# Allegro board OPT8241-CDK-EVM SB REV2P0V1.brd (continued)
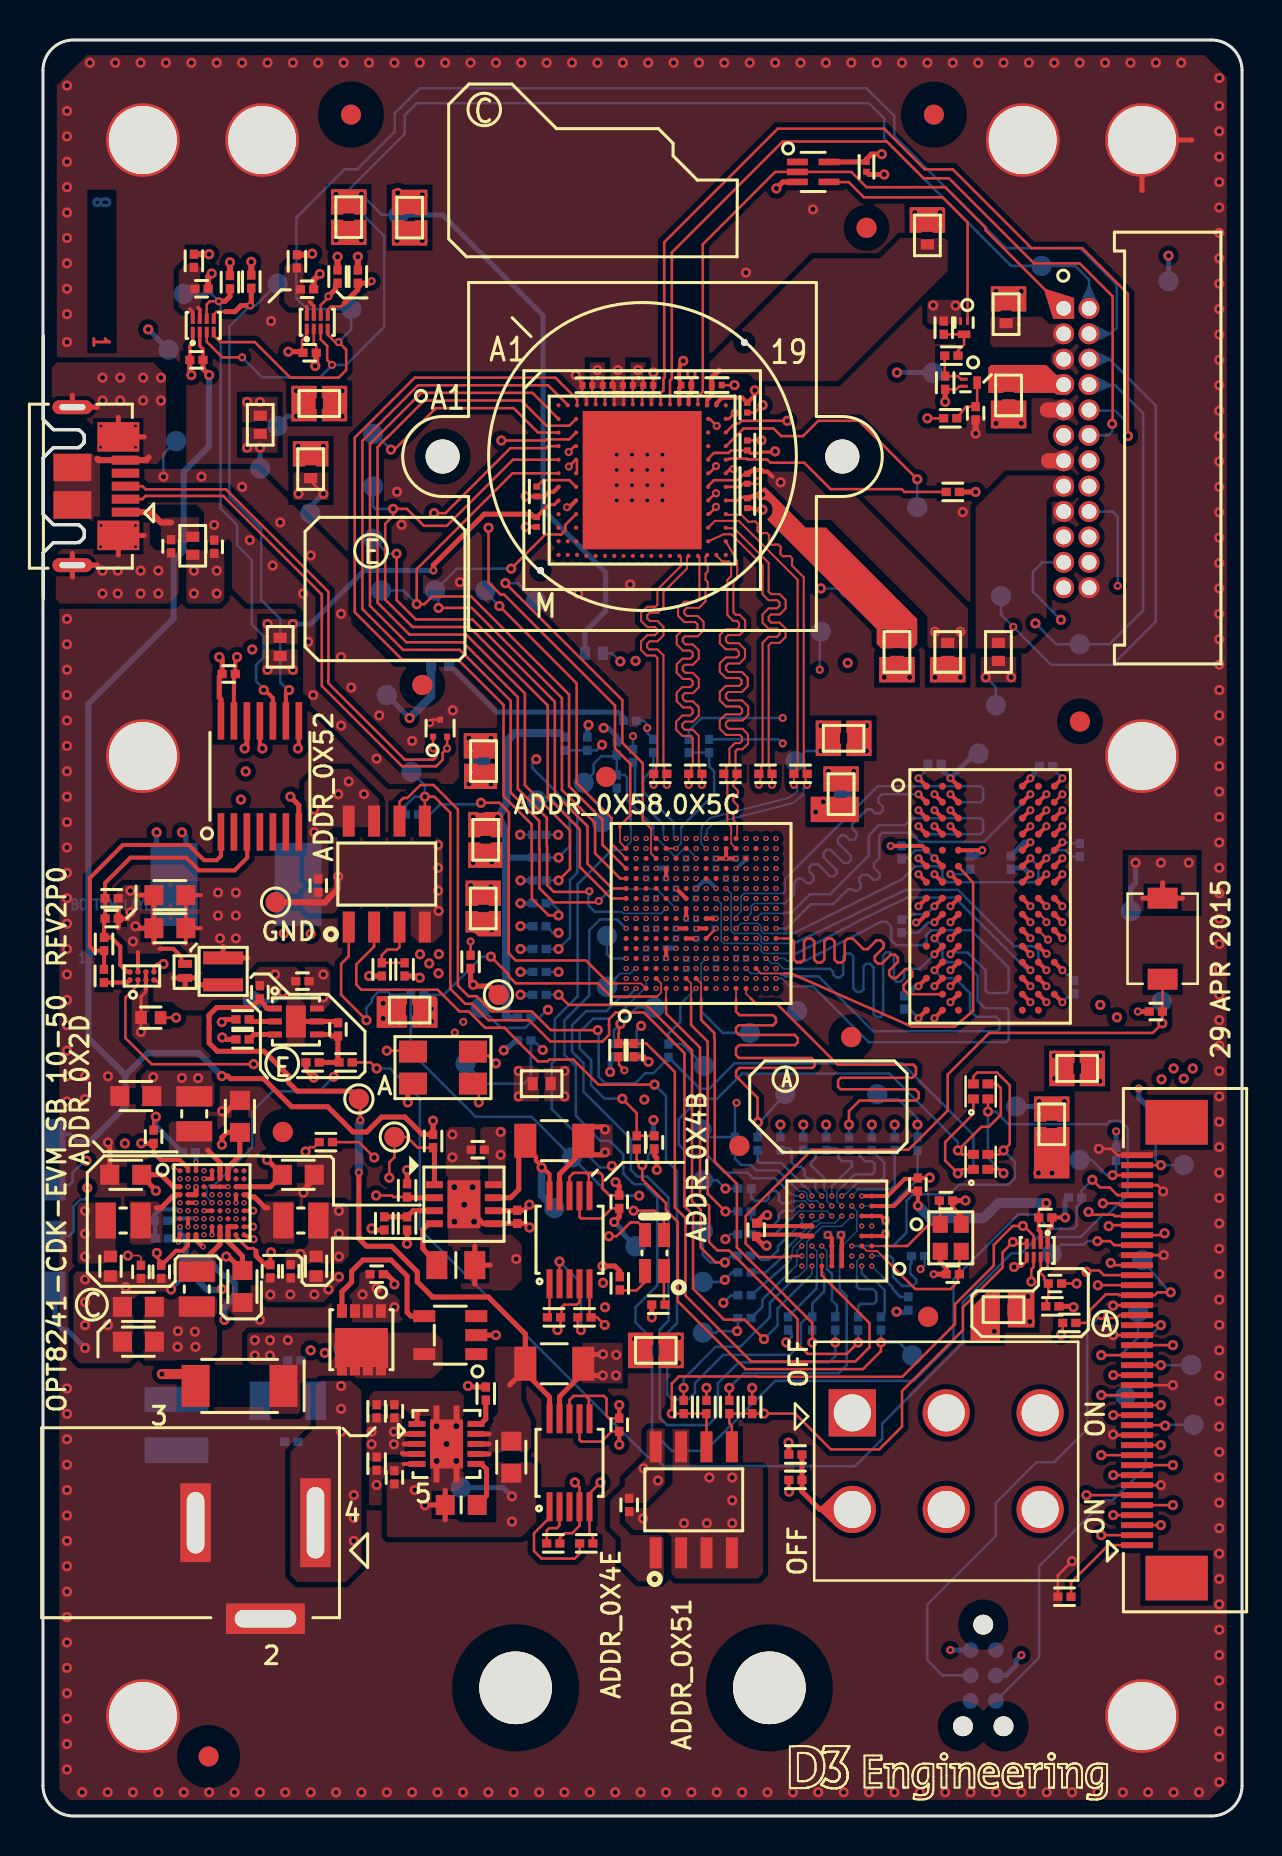
[diagram p0: board, top side]
## Routing (per net, layer and track width the routed paths; a pad name or vN(x,y) marks a point on that pad's centre or on a via; arc(x,y) is an arc through that point) (continued)
  vias: v1(10.22,70.71) v1(10.86,70.71) v1(27.75,72.31) v1(29.78,72.31)
VCC_PVDD: length 40.5
  TOP w0.081: v3(6.52,32.45) 6.53,32.45 6.53,32.45 U11.A1
  TOP w0.127: B6.1 13.39,66.75 v1(14.03,66.12)
  SIG1 w0.254: v3(6.52,32.45) 6.28,32.69 6.28,38.49 7.35,39.56 7.35,47.79 8.34,48.78 8.34,52.54 9.83,54.03 9.97,54.03 11.69,55.75 11.69,56.03 11.68,56.04 11.68,56.87 11.87,57.06 11.87,62.01 12.55,62.69 12.55,65.88 v1(12.79,66.12) v1(14.03,66.12)
  BOTTOM w0.254: TP60.1 13.38,65.46 v1(14.03,66.12)
VCC_SENSOR_AVDD_1V8: length 4.2
  TOP w0.127: C10.1 35.15,67.12 35.03,67.07 34.77,66.8 33.58,66.8 33.29,66.51 U3.G17 ; U3.D3 26.6,68.5 v2(26.31,68.21)
  TOP w0.203: 36.51,66.97 36.25,67.23 36.05,67.23 35.97,67.3 35.51,67.3 35.43,67.23 35.36,67.23 C10.1
  vias: v1(36.91,66.69) v1(44.64,59.23) v1(45.91,59.23)
VCC_SENSOR_AVDD_3V3: length 2
  TOP w0.127: 33.46,71.54 C4.1
  TOP w0.203: U3.A17 33.24,70.81 33.46,71.04
  TOP w0.254: 33.84,72.31 33.44,71.91 C4.1 ; 33.46,71.04 33.46,71.54
VCC_SENSOR_DVDD_1V8: length 2.5
  TOP w0.152: U3.F19 34.38,67.36 v2(34.55,67.36) ; C12.1 35.2,65.95 34.94,65.95 34.77,65.78 U3.H19
  TOP w0.254: v1(36.03,66.08) 35.87,66.08 35.86,66.1 C12.1
  vias: v1(42.1,59.23) v1(43.37,59.23)
VCC_SENSOR_DVDD_3V3: length 25.1
  TOP w0.203: U3.A14 31.84,71.45 C3.1 31.87,71.62 31.87,71.81 31.84,71.85 31.84,72.35 31.87,72.39 31.87,72.6 v1(32.04,72.76)
  TOP w0.254: R28.1 v1(30.46,24.94) ; U24.5 39.33,82.71 C94.1 41.21,82.85 41.46,83.1 v1(41.97,83.1) ; R27.1 28.86,27.25 28.61,27.5 v1(28,27.5)
  PWR1 w0.508: v1(10.47,58.34) 10.47,62.76 11.11,63.4 11.11,67.36 11.63,67.88 11.63,72.79 11.52,72.91 11.52,73.54 12.89,74.91 12.89,75.23
  vias: v1(14.66,78.81) v1(15.93,78.81) v1(44.55,75.54) v1(45.66,75.53)
VCC_SENSOR_IOVDD_1V8: length 16.9
  TOP w0.152: U3.H1 25.59,65.58 25.32,65.58
  TOP w0.203: 25.32,65.58 C13.1
  TOP w0.254: R4.2 v1(46.67,66.21) ; v2(19.54,62.29) 19.54,62.55 22.08,65.1 24.42,65.1 24.56,64.96 C13.1
  BOTTOM w0.254: v1(12.51,59.61) 13.4,59.61 16.07,62.29 v2(19.54,62.29)
  vias: v1(11.24,59.61)
VCC_SENSOR_PLL_1V8: length 2.6
  TOP w0.203: v1(35.62,71.29) 35.62,71.04 C8.1 35,70.92 34.01,70.92 34,70.91 33.97,70.91 33.7,70.64 U3.A18
  vias: v1(14.97,71.26) v1(14.97,69.99)
VCC_SENSOR_PVDD: length 3.7
  TOP w0.127: C9.1 34.43,68.29 34.31,68.16 33.74,68.16 33.58,68.16 33.29,67.87 U3.E17
  TOP w0.152: v1(36.64,68.24) 36.6,68.2 35.92,68.2 35.87,68.15 35.39,68.15 35.35,68.19 35.35,68.19 C9.1
  vias: v1(12.76,68.5) v1(14.03,68.5)
VCC_TFC_CONFIG: length 20.4
  BOTTOM w0.305: R53.2 23.21,47.93 23.17,47.96 ; 25.89,54.15 R47.2 ; R61.2 23.22,39.92
  BOTTOM w0.406: 23.22,39.92 23.17,39.98 23.17,48.77 23.17,48.77 23.17,49.2 22.84,49.86 v1(22.75,49.95) ; v1(22.75,49.95) 22.74,49.95 v1(21.52,49.95) ; v1(22.75,49.95) 22.78,49.98 22.82,49.99 23.2,50.65 23.2,53.75 23.61,54.15 25.89,54.15
VCC_TFC_CORE_1V2: length 4.3
  TOP w0.127: U8.J6 v4(33.68,44.38)
  TOP w0.203: U8.G7 v4(31.68,44.38) ; U8.G10 v4(31.68,46.38) ; U8.G9 v4(32.18,44.88) ; U8.G6 v4(32.68,43.88)
  BOTTOM w0.127: C71.1 33.59,44.39 33.67,44.39 v4(33.68,44.38)
  BOTTOM w0.203: v3(33.68,46.38) 33.33,46.74 33.04,46.74 v4(32.68,46.38)
  vias: v1(19.43,40.37) v1(19.45,39.73)
VCC_TFC_IOVDD_1V8: length 8
  TOP w0.254: v1(18.85,41.92) 18.77,42 R13.1 ; v1(30.3,37.71) 30.05,37.97 R109.1
  BOTTOM w0.254: R49.1 28.71,53.99 28.29,54.41 v1(28.05,54.41) ; R55.2 v1(23.89,45.64) ; R65.2 30.05,37.97 v1(30.3,37.71) ; R57.2 v1(23.89,43.35) ; R58.1 v1(23.89,42.21) ; R59.1 v1(23.89,41.07) ; R56.2 v1(23.89,44.5) ; R66.2 v1(30.55,34.8) ; R54.2 v1(23.89,46.78)
  vias: v1(13.57,50.34) v1(13.57,49.19) v1(14.78,51.09) v1(15.3,51.73) v1(16.06,51.1) v1(26.09,37.25) v1(26.09,35.98) v3(29.18,48.88) v3(29.18,41.38) v3(31.18,42.38) v3(34.68,42.38) v3(35.68,47.38) v3(35.68,45.88) v3(35.68,44.38) v3(35.68,42.88) v3(36.68,48.88) v3(36.68,41.38) v4(30.18,47.38) v4(30.18,45.88) v4(30.18,44.38) v4(30.18,42.88) v4(32.18,42.38) v4(33.68,42.38)
VCC_TFC_IOVDD_2V5: length 1.5
  TOP w0.203: v4(34.68,47.88) v3(34.18,47.88) ; v3(34.18,47.88) U8.L15 ; v3(34.18,47.88) v4(33.68,47.88)
  vias: v1(38.67,50.21) v1(39.05,50.72)
VCC_TFC_IOVDD_3V3: length 1
  BOTTOM w0.127: B27.2 28.48,58.14 v1(28.89,57.73)
  vias: v1(29.65,57.76) v3(31.18,47.88) v4(32.18,47.88)
VCC_TFC_PLL_1V2: length 0.5
  BOTTOM w0.254: C64.1 30.71,47.41 v3(30.68,47.38)
  vias: v1(21.31,53.9) v1(22.41,53.89) v3(30.68,42.88) v3(35.18,47.38) v4(35.18,42.88)
VCC_TFC_PLL_2V5: length 0.5
  BOTTOM w0.254: v3(31.68,43.38) 31.66,43.4 C77.1
  vias: v1(22.46,44.31) v3(31.68,46.88) v3(34.18,43.38) v4(34.18,46.88)
VCC_USB_5V_IN: length 3.3
  TOP w0.254: v1(8.97,38.93) 8.99,38.92 9.09,38.92 9.17,38.83 R15.1 ; U12.6 23.71,30.27 C35.1 24.09,30.29 24.34,30.54 v1(24.34,30.57) ; R40.1 37.32,18.65 v1(37.31,18.67)
  vias: v1(7.55,62.27) v1(7.55,61.13) v1(8.7,62.27) v1(8.7,61.13) v1(9.91,50.83) v1(10.14,52.24) v1(14.03,42.08) v1(14.03,40.94)
CAP_BIT_CLK_0: length 22.9
  TOP w0.076: 34.44,49.18 34.43,49.17 34.43,48.63 U8.M15
  TOP w0.082: 34.43,49.38 34.43,49.37 34.44,49.36 34.44,49.18
  TOP w0.102: 34.43,49.38 34.43,49.49 34.25,49.68 34.25,51.72 34.19,51.78 34.19,51.99 R7.2 34.09,52.11 34.19,52.21 34.19,52.45 34.35,52.61 34.35,53.37 34.63,53.65 34.88,53.65 34.98,53.75 34.98,53.96 34.88,54.06 34.18,54.06 33.87,54.37 33.87,54.79 34.16,55.09 34.88,55.09 34.99,55.19 34.99,55.35 34.85,55.48 34.18,55.48 33.87,55.79 33.87,56.21 34.16,56.51 34.72,56.51 34.72,56.51 34.85,56.51 34.96,56.62 34.96,56.79 34.85,56.9 34.18,56.9 33.87,57.22 33.87,57.64 34.16,57.93 34.72,57.93 34.82,58.04 34.82,58.21 34.69,58.34 34.16,58.34 33.87,58.64 33.87,59.06 34.16,59.36 34.73,59.36 34.83,59.46 34.83,59.66 34.73,59.76 34.54,59.76 34.25,60.06 34.25,61.81 34.43,61.99 34.43,62.63 34.33,62.74 33.99,62.74 33.7,63.02 U3.M18
CAP_BIT_CLK_1: length 22.9
  TOP w0.076: U8.M16 34.73,48.93 34.73,49.18
  TOP w0.082: 34.74,49.38 34.74,49.25 34.73,49.24 34.73,49.18
  TOP w0.102: 34.74,49.38 34.74,49.62 34.55,49.8 34.55,50.16 34.77,50.38 34.77,50.53 34.55,50.74 34.55,50.89 34.78,51.12 34.78,51.27 34.55,51.5 34.55,51.72 34.73,51.9 R7.1 34.65,52.31 34.65,53.25 34.76,53.35 35,53.35 35.28,53.63 35.28,54.08 35,54.36 34.31,54.36 34.17,54.5 34.17,54.67 34.29,54.78 35.01,54.78 35.29,55.06 35.29,55.47 34.98,55.79 34.31,55.79 34.17,55.92 34.17,56.09 34.29,56.21 34.59,56.21 34.97,56.21 35.26,56.5 35.26,56.83 35.26,56.92 34.97,57.21 34.31,57.21 34.17,57.34 34.17,57.51 34.29,57.63 34.85,57.63 35.13,57.91 35.13,58.33 34.82,58.65 34.29,58.65 34.17,58.76 34.17,58.93 34.29,59.05 34.86,59.05 35.14,59.33 35.14,59.79 34.86,60.07 34.67,60.07 34.55,60.19 34.55,61.68 34.74,61.87 34.74,62.76 U3.L19
CAP_DATA_DIFF_0_0: length 22.9
  TOP w0.102: U3.M16 32.85,62.93 32.85,60.87 32.7,60.72 32.08,60.72 31.78,60.41 31.78,60.02 32.09,59.7 32.64,59.7 32.76,59.58 32.76,59.42 32.64,59.3 31.99,59.3 31.71,59.01 31.71,58.59 32.02,58.28 32.39,58.28 32.51,58.16 32.51,57.99 32.39,57.87 31.99,57.87 31.71,57.59 31.71,57.17 32.02,56.86 32.39,56.86 32.51,56.74 32.51,56.57 32.39,56.45 31.99,56.45 31.71,56.17 31.71,55.75 32.02,55.44 32.39,55.44 32.51,55.32 32.51,55.15 32.39,55.03 31.99,55.03 31.68,54.72 31.68,54.32 31.99,54.01 32.39,54.01 32.51,53.89 32.51,52.52 32.44,52.45 32.44,52.24 R6.1 32.31,51.57 v2(32.31,51.56)
  SIG2 w0.082: v3(35.18,48.38) 34.79,48.38 34.37,48.81 34.37,49.35 34.36,49.36 34.36,49.38
  SIG2 w0.102: v2(32.31,51.56) 32.31,50.72 33.26,49.77 34,49.77 34.36,49.41 34.36,49.38
CAP_DATA_DIFF_0_1: length 22.9
  TOP w0.102: v2(32.97,51.56) R6.2 32.85,52.24 32.85,52.45 32.82,52.48 32.82,54.02 32.52,54.32 32.12,54.32 31.99,54.45 31.99,54.59 32.12,54.72 32.52,54.72 32.82,55.02 32.82,55.44 32.52,55.74 32.15,55.74 32.02,55.87 32.02,56.04 32.12,56.15 32.52,56.15 32.82,56.44 32.82,56.87 32.52,57.16 32.15,57.16 32.02,57.3 32.02,57.46 32.12,57.57 32.52,57.57 32.82,57.87 32.82,58.29 32.52,58.58 32.15,58.58 32.02,58.72 32.02,58.89 32.12,58.99 32.76,58.99 33.06,59.29 33.06,59.71 32.76,60.01 32.22,60.01 32.08,60.14 32.08,60.29 32.21,60.41 32.83,60.41 33.15,60.74 33.15,61.3 33.27,61.42 33.27,61.71 33.15,61.82 33.15,62.12 33.27,62.23 33.27,62.52 33.15,62.64 33.15,62.98 U3.M17
  SIG2 w0.082: v3(35.18,48.88) 35.18,48.75 35.1,48.67 34.91,48.67 34.65,48.93 34.65,49.35 34.66,49.36 34.66,49.38
  SIG2 w0.102: 34.66,49.38 34.66,49.54 34.12,50.08 33.39,50.08 32.62,50.84 32.62,51.15 32.82,51.35 32.82,51.41 v2(32.97,51.56)
CAP_DATA_DIFF_1_0: length 22.9
  TOP w0.102: v2(35.82,51.56) 35.9,51.64 35.9,52.04 R8.2 35.95,52.24 35.95,52.45 36.01,52.51 36.01,58.67 36.31,58.97 36.74,58.97 36.86,59.08 36.86,59.25 36.74,59.37 36.31,59.37 36.01,59.67 36.01,60.09 36.31,60.39 36.74,60.39 36.86,60.51 36.86,60.68 36.74,60.79 36.31,60.79 36.01,61.09 36.01,62.53 34.45,64.09 34.07,64.09 U3.L17
  SIG1 w0.082: 34.59,49.38 34.59,49.36 34.58,49.35 34.58,48.77 34.3,48.49 33.79,48.49 v3(33.68,48.38)
  SIG1 w0.102: v2(35.82,51.56) 35.97,51.72 35.97,51.77 36.03,51.83 36.03,51.94 35.93,52.04 35.2,52.04 34.59,51.43 34.59,49.38
CAP_DATA_DIFF_1_1: length 22.9
  TOP w0.102: v2(36.48,51.56) R8.1 36.48,52.14 36.36,52.27 36.36,52.45 36.31,52.49 36.31,58.54 36.43,58.66 36.86,58.66 37.16,58.96 37.16,59.38 36.86,59.68 36.43,59.68 36.31,59.8 36.31,59.96 36.43,60.08 36.86,60.08 37.16,60.38 37.16,60.8 36.86,61.1 36.43,61.1 36.31,61.22 36.31,62.66 34.58,64.4 34.19,64.4 U3.K19
  SIG1 w0.082: 34.29,49.38 34.29,49.25 34.3,49.24 34.3,48.89 34.19,48.77 33.79,48.77 v3(33.68,48.88)
  SIG1 w0.102: v2(36.48,51.56) 36.33,51.71 36.33,52.07 36.05,52.35 35.08,52.35 34.29,51.56 34.29,49.38
CAP_DATA_SUM_0: length 23
  TOP w0.102: U3.K17 33.63,64.76 34.82,64.76 37.76,61.82 37.76,52.51 37.7,52.45 37.7,52.24 R9.2 37.58,51.57 v2(37.58,51.56)
  BOTTOM w0.082: 32.96,49.38 32.93,49.24 32.93,48.63 v3(33.18,48.38)
  BOTTOM w0.102: v2(37.58,51.56) 37.75,51.39 37.75,51.24 37.34,50.92 33.39,49.91 32.99,49.51 32.96,49.38
CAP_DATA_SUM_1: length 22.9
  TOP w0.102: U3.J19 34.2,65.07 34.94,65.07 35.29,64.72 35.46,64.72 35.48,64.73 35.65,64.73 35.77,64.61 35.77,64.45 35.75,64.43 35.75,64.26 35.87,64.14 36.04,64.14 36.05,64.16 36.22,64.16 36.34,64.04 36.34,63.87 36.33,63.85 36.33,63.69 36.44,63.57 36.61,63.57 36.63,63.58 36.8,63.58 36.92,63.46 36.92,63.3 36.9,63.28 36.9,63.11 37.02,62.99 37.19,62.99 37.2,63.01 37.37,63.01 37.49,62.89 37.49,62.72 37.48,62.7 37.48,62.54 38.07,61.94 38.07,52.49 38.11,52.45 38.11,52.24 R9.1 38.16,52.04 38.16,51.64 v2(38.24,51.56)
  BOTTOM w0.082: v3(33.18,48.88) 33.18,49.09 33.22,49.14 33.22,49.32 33.29,49.38
  BOTTOM w0.102: v2(38.24,51.56) 38.06,51.38 38.06,51.09 37.53,50.66 33.54,49.64 33.29,49.38
CAP_FRM_CLK_0: length 22.9
  TOP w0.102: U3.M14 31.92,62.93 31.92,62.51 30.75,61.33 30.75,60.57 30.64,60.47 30.49,60.47 30.23,60.47 29.93,60.16 29.93,59.76 30.24,59.45 30.63,59.45 30.75,59.33 30.75,59.16 30.63,59.05 30.23,59.05 29.93,58.74 29.93,58.31 30.21,58.03 30.63,58.03 30.75,57.91 30.75,52.51 30.68,52.45 30.68,52.24 R5.1 30.56,51.57 v2(30.56,51.56)
  SIG2 w0.082: v3(36.18,48.88) 36.18,48.96 36.17,48.97 36.17,49.25 36.18,49.26 36.18,49.36 36.19,49.37 36.19,49.38
  SIG2 w0.102: 36.19,49.38 36.19,49.67 33.18,52.69 31.02,52.69 30.67,52.34 30.67,52.19 30.67,51.68 v2(30.56,51.56)
CAP_FRM_CLK_1: length 22.9
  TOP w0.102: v2(31.22,51.56) 31.09,51.69 31.09,51.99 R5.2 31.09,52.24 31.09,52.45 31.05,52.49 31.05,58.04 30.75,58.33 30.33,58.33 30.23,58.44 30.23,58.61 30.36,58.74 30.75,58.74 31.05,59.04 31.05,59.46 30.75,59.76 30.36,59.76 30.24,59.88 30.24,60.04 30.36,60.16 30.77,60.16 31.05,60.44 31.05,61.2 32.23,62.38 32.23,62.93 U3.M15
  SIG2 w0.082: v3(35.68,48.88) 35.89,49.09 35.89,49.38
  SIG2 w0.102: v2(31.22,51.56) 31.07,51.71 31.07,51.78 30.98,51.87 30.98,52.19 30.98,52.21 31.15,52.38 32.05,52.38 32.24,52.19 32.55,52.19 32.74,52.38 33.05,52.38 33.45,51.98 33.45,51.74 33.61,51.58 33.85,51.58 34.07,51.37 34.07,51.1 34.2,50.97 34.46,50.97 34.68,50.75 34.68,50.46 34.79,50.36 35.08,50.36 35.29,50.14 35.29,49.9 35.45,49.74 35.69,49.74 35.89,49.54 35.89,49.38
COMP_MOD_FB: length 36.1
  SIG2 w0.114: J1.16 53.65,66.5 54.3,65.86 54.3,61.3 49.3,56.3 30.45,56.3 29.41,55.27 29.41,54.11 v2(29.52,54)
  BOTTOM w0.127: R100.2 v2(29.52,54)
COMP_MOD_REF: length 37.5
  SIG2 w0.114: J1.14 53.53,67.77 54.66,66.63 54.66,61.15 49.44,55.92 30.95,55.92 30.19,55.16 30.19,54.51 30.24,54.46 v2(30.24,54.41)
  BOTTOM w0.127: R102.2 30.54,53.86 30.23,54.17 30.23,54.35 30.24,54.36 v2(30.24,54.41) 30.24,54.46 30.19,54.51 30.19,54.64 30.06,54.76 R103.2
CONF_DONE: length 34.4
  SIG2 w0.082: v3(38.47,30) 38.22,30.25 38.22,30.61 38.08,30.75 37.47,30.75 37.44,30.79
  SIG2 w0.114: 37.44,30.79 37.1,31.13 35.23,31.13 34.31,32.05 33.97,32.05 33.67,31.74 29.84,31.74 29.08,32.51 v1(28.47,32.51)
  BOTTOM w0.082: 29.4,49.38 29.43,49.35 29.43,48.72 29.02,48.3 28.71,48.3
  BOTTOM w0.127: v1(28.47,32.51) 28.37,32.51 28.29,32.43 27.87,32.43 27.36,32.94 27.36,33.44 25.46,35.35 25.46,37.61 25.61,37.76 25.61,39.85 25.84,40.08 25.84,40.08 26.75,40.99 26.75,46.59 28.46,48.3 28.71,48.3 ; 29.4,49.38 29.4,50.06 28.74,50.72 28.74,51.38 R50.1
CTL2: length 31
  TOP w0.127: RN2.4 45.98,33.09 v1(45.78,33.28) 46.96,34.46 47.33,34.46 47.93,35.06 47.93,36.4 47.72,36.61 RN1.3
  BOTTOM w0.082: v3(37.97,31) 37.68,31 37.44,31.1
  BOTTOM w0.127: 37.44,31.1 37.42,31.1 36.62,31.9 35.53,31.9 35.25,32.17 34.11,32.17 33.22,33.06 32.32,33.06 31.81,33.58 31.81,34.84 32.83,35.86 33.71,35.86 34.98,37.13 42.35,37.13 45.78,33.7 v1(45.78,33.28)
DC_JACK_UNPLUG: length 56.3
  TOP w0.127: R20.1 18.75,33.42 18.22,33.95 TP25.1 17.59,32.94 17.33,32.68 v1(17.33,31.92)
  TOP w0.254: R20.1 19.59,33.35 U12.1
  SIG1 w0.082: v3(40.47,28) 40.07,27.6 40.07,27.01 40.13,26.96
  SIG1 w0.114: v1(17.33,31.92) 17.66,31.6 17.66,27.79 18.35,27.09 18.35,25.93 23.28,21 23.28,17.71 27.49,13.51 35.87,13.51 40.45,18.08 41.58,18.08 42.6,19.1 42.6,24.48 40.13,26.96
DDR2_ADDR_0: length 21.6
  TOP w0.203: U7.M8 v2(50.21,42.29)
  BOTTOM w0.082: 37.39,43.63 36.02,43.63 35.93,43.72 35.93,43.99 35.78,44.13 34.58,44.13 34.43,44.28 34.43,46.13 v3(34.18,46.38)
  BOTTOM w0.127: v2(50.21,42.29) 49.81,42.7 49.81,43.26 49.57,43.49 48.6,43.49 45.78,46.31 43.18,46.31 37.58,43.63 37.39,43.63
DDR2_ADDR_1: length 19.9
  TOP w0.203: U7.M3 v2(45.41,42.29)
  SIG2 w0.082: v3(34.18,45.38) 34.43,45.13 34.43,43.96 34.76,43.63 36.88,43.63 37.02,43.49 37.02,43.42 37.39,43.05
  SIG2 w0.114: 37.39,43.05 40.14,40.3 45.22,40.3 45.99,39.52 46.67,39.52 46.91,39.76 46.91,39.93 46.26,40.58 46.26,41.75 45.72,42.29 v2(45.41,42.29)
DDR2_ADDR_2: length 20.8
  TOP w0.203: U7.M7 v2(49.41,42.29)
  BOTTOM w0.082: 37.39,43.13 36.08,43.13 35.93,43.28 35.93,43.49 35.79,43.63 34.08,43.63 33.93,43.78 33.93,45.63 v3(33.68,45.88)
  BOTTOM w0.127: 37.39,43.13 37.7,43.13 37.7,43.13 41.02,44.86 43.27,45.93 45.62,45.93 49.26,42.29 v2(49.41,42.29)
DDR2_ADDR_3: length 20.6
  TOP w0.203: U7.N2 v2(44.61,41.49)
  SIG2 w0.082: 37.05,44.22 36.93,44.34 36.93,44.49 36.78,44.63 35.58,44.63 35.43,44.78 35.43,44.99 35.28,45.13 35.08,45.13 34.93,45.28 34.93,45.49 34.78,45.63 33.93,45.63 v3(33.68,45.38)
  SIG2 w0.114: v2(44.61,41.49) 44.22,41.1 42.09,41.1 41.91,41.28 41.91,41.47 42.99,42.55 42.99,42.71 42.87,42.82 42.62,42.82 41.59,41.79 41.4,41.79 41.26,41.93 41.26,42.11 42.4,43.25 42.4,43.43 42.27,43.55 42.05,43.55 40.94,42.44 40.75,42.44 38.97,44.22 37.05,44.22
DDR2_ADDR_4: length 20.6
  TOP w0.203: U7.N8 v2(50.21,41.49)
  SIG2 w0.082: v3(34.68,46.38) 34.93,46.13 36.92,46.13 37.32,45.74 37.39,45.74
  SIG2 w0.114: 37.39,45.74 39.2,45.74 40.58,47.11 41,47.11 43.01,45.1 45.67,45.1 45.96,44.82 45.96,44.58 48.19,42.36 48.19,41.41 48.31,41.29 48.78,41.29 48.85,41.35 48.85,41.67 49.08,41.9 49.8,41.9 v2(50.21,41.49)
DDR2_ADDR_5: length 20
  TOP w0.203: U7.N3 v2(45.41,41.49)
  SIG2 w0.082: v3(34.68,45.38) 34.68,45.3 34.93,45.05 34.93,44.28 35.08,44.13 36.58,44.13 36.73,43.98 36.99,43.98 37.39,43.57
  SIG2 w0.114: 37.39,43.57 37.74,43.22 37.93,43.22 38.38,43.67 38.57,43.67 38.7,43.53 38.7,43.34 38.25,42.9 38.25,42.71 38.39,42.57 38.58,42.57 39.02,43.02 39.21,43.02 39.35,42.89 39.35,42.7 38.9,42.25 38.9,42.06 39.03,41.93 39.22,41.93 39.67,42.37 39.86,42.37 39.99,42.24 39.99,42.05 39.55,41.6 39.55,41.41 39.68,41.28 39.87,41.28 40.32,41.73 40.51,41.73 40.64,41.59 40.64,41.4 40.19,40.96 40.19,40.78 40.31,40.67 44.58,40.67 v2(45.41,41.49)
DDR2_ADDR_6: length 20.2
  TOP w0.203: U7.N7 v2(49.41,41.49)
  SIG1 w0.082: 37.09,41.13 36.08,41.13 35.93,41.28 35.93,41.49 35.78,41.63 35.58,41.63 35.43,41.78 35.43,41.94 35.43,41.99 35.28,42.13 35.08,42.13 34.93,42.28 34.93,43.49 34.28,44.13 34.08,44.13 33.93,44.28 33.93,45.63 v3(34.18,45.88)
  SIG1 w0.114: v2(49.41,41.49) 49.02,41.1 37.12,41.1 37.09,41.13
DDR2_ADDR_7: length 20.1
  TOP w0.082: U8.T6 37.06,43.88
  TOP w0.127: 37.06,43.88 37.43,43.88 37.58,43.73 37.58,42.83 37.73,42.68 37.94,42.68 38.08,42.83 38.08,43.73 38.23,43.88 38.44,43.88 38.59,43.73 38.59,42.83 38.74,42.68 38.95,42.68 39.1,42.83 39.1,43.73 39.25,43.88 39.46,43.88 39.61,43.73 39.61,42.83 39.76,42.68 39.97,42.68 40.12,42.83 40.12,43.73 40.27,43.88 40.52,43.88 41.05,43.35 41.26,43.35 41.71,43.79 41.92,43.79 42.06,43.64 42.06,43.43 41.62,42.99 41.62,42.78 41.77,42.63 41.98,42.63 42.42,43.07 42.63,43.07 42.78,42.92 42.78,42.71 42.34,42.27 42.34,42.06 42.49,41.91 42.7,41.91 43.14,42.35 43.35,42.35 43.5,42.2 43.5,41.99 43.06,41.55 43.06,41.34 43.31,41.09 U7.P2
DDR2_ADDR_8: length 21.4
  TOP w0.203: U7.P8 v2(50.21,40.69)
  SIG2 w0.082: v3(35.18,46.38) 35.43,46.63 37.22,46.63 37.24,46.61 37.39,46.61
  SIG2 w0.114: v2(50.21,40.69) 50.6,41.09 50.6,42.46 50.37,42.69 50.06,42.69 49.8,42.95 49.8,43.24 49.8,43.25 49.57,43.48 49.56,43.48 49.53,43.5 48.91,43.5 48.88,43.53 48.14,44.27 48.14,45.05 46.86,46.33 43.49,46.33 43.49,46.33 42.82,46.33 41.26,47.89 39.98,47.89 38.71,46.61 37.39,46.61
DDR2_ADDR_9: length 20.6
  TOP w0.203: U7.P3 v2(45.41,40.69)
  SIG2 w0.082: v3(35.68,45.38) 35.93,45.13 36.78,45.13 36.93,44.99 36.93,44.77 37.09,44.61
  SIG2 w0.114: 37.09,44.61 39.82,44.61 40.68,45.47 40.91,45.47 41.08,45.3 41.08,45.11 40.04,44.08 40.04,43.84 40.18,43.71 40.35,43.71 41.43,44.79 41.59,44.79 41.72,44.66 41.72,44.47 40.75,43.49 40.75,43.33 40.88,43.2 41.07,43.2 42.01,44.14 42.24,44.14 43.26,43.12 43.92,43.12 44.35,42.7 44.83,42.7 45.02,42.51 45.02,42.05 45.16,41.9 45.59,41.9 45.8,41.69 45.8,41.09 v2(45.41,40.69)
DDR2_ADDR_10: length 19.8
  TOP w0.203: U7.M2 v2(44.61,42.29)
  BOTTOM w0.082: 36.93,42.07 36.87,42.13 35.43,42.13 v3(35.18,42.38)
  BOTTOM w0.127: 36.93,42.07 37.06,42.07 37.14,41.98 38.8,41.98 41.54,39.25 47.75,39.25 47.87,39.37 47.87,39.78 47.68,39.97 46.69,39.97 46.39,40.27 46.39,41.14 45.64,41.89 45.01,41.89 v2(44.61,42.29)
DDR2_ADDR_11: length 20.4
  TOP w0.203: U7.P7 v2(49.41,40.69)
  SIG2 w0.082: 37.39,45 37.18,45 36.93,45.25 36.93,45.49 36.78,45.63 35.02,45.63 34.77,45.88 v3(34.68,45.88)
  SIG2 w0.114: v2(49.41,40.69) 49.43,40.67 49.43,40.14 49.13,39.84 47.56,39.84 46.62,40.78 46.62,41.96 45.8,42.78 45.8,43.26 45.57,43.49 43.44,43.49 40.93,46 40.6,46 39.6,45 37.39,45
DDR2_ADDR_12: length 19.8
  TOP w0.203: U7.R2 v2(44.61,39.89)
  SIG2 w0.082: v3(36.68,43.38) 36.74,43.32 36.74,43.3 36.95,43.09 36.95,42.66
  SIG2 w0.114: v2(44.61,39.89) 44.99,39.89 45.75,39.14 48.28,39.14 48.39,39.03 48.39,38.22 48.23,38.05 46.14,38.05 44.76,39.44 40.17,39.44 36.95,42.66
DDR2_BA_0: length 21.1
  TOP w0.203: U7.L2 v2(44.61,43.09)
  BOTTOM w0.082: v3(36.18,42.88) 36.2,42.88 36.45,42.63 36.78,42.63 37.05,42.36 37.47,42.36
  BOTTOM w0.127: v2(44.61,43.09) 43.88,42.36 43.24,42.36 43.09,42.22 43.09,41.89 42.92,41.72 42.71,41.72 42.58,41.85 42.58,43 42.4,43.19 42.19,43.19 42.04,43.04 42.04,40.08 41.91,39.95 41.72,39.95 41.57,40.1 41.57,42.44 41.39,42.62 41.19,42.62 41.06,42.49 41.06,41.34 40.93,41.21 40.72,41.21 40.55,41.38 40.55,42.98 40.4,43.12 40.19,43.12 40.04,42.98 40.04,42.09 39.9,41.94 39.69,41.94 39.54,42.09 39.54,42.22 39.39,42.36 37.47,42.36
DDR2_BA_1: length 20.4
  TOP w0.203: U7.L3 v2(45.41,43.09)
  BOTTOM w0.082: 37.86,42.76 37.23,42.76 37.1,42.88 v3(36.68,42.88)
  BOTTOM w0.127: v2(45.41,43.09) 45.49,43.18 46.28,43.18 47.17,42.29 47.17,41.28 47.29,41.16 48.19,41.16 48.32,41.28 48.32,42.42 46.44,44.29 44.44,44.29 44.21,44.06 44.21,43.74 44.01,43.55 42.69,43.55 42.44,43.81 42.44,44.49 42.22,44.71 41.93,44.71 38.13,42.76 37.86,42.76
DDR2_DATA_0: length 18.9
  TOP w0.203: U7.H7 v2(49.41,45.49)
  SIG1 w0.082: 37.12,41.63 36.08,41.63 35.93,41.78 35.93,41.99 35.43,42.49 35.43,43.13 v3(35.18,43.38)
  SIG1 w0.114: 37.12,41.63 41.63,41.63 42.69,42.7 48.48,42.7 48.99,43.2 48.99,45.38 49.1,45.49 v2(49.41,45.49)
DDR2_DATA_1: length 18.9
  TOP w0.203: U7.H9 v2(51.01,45.49)
  SIG1 w0.082: 37.12,43.13 36.43,43.13 v3(36.18,43.38)
  SIG1 w0.114: 37.12,43.13 40.44,43.13 43.2,45.89 51.91,45.89 52.03,45.77 52.03,45.61 51.91,45.49 v2(51.01,45.49)
DDR2_DATA_2: length 18.6
  TOP w0.203: U7.H3 v2(45.41,45.49)
  SIG1 w0.082: v3(36.18,42.38) 36.43,42.13 37.12,42.13
  SIG1 w0.114: 37.12,42.13 41.3,42.13 42.66,43.49 48.4,43.49 48.57,43.66 48.57,45.35 48.43,45.5 45.41,45.5 v2(45.41,45.49)
DDR2_DATA_3: length 18.7
  TOP w0.203: U7.G8 v2(50.21,47.09)
  SIG1 w0.082: v3(36.18,43.88) 36.43,43.63 37.12,43.63
  SIG1 w0.114: 37.12,43.63 40.27,43.63 42.94,46.3 51.26,46.3 51.38,46.42 51.38,46.56 51.25,46.69 50.32,46.69 50.21,46.8 v2(50.21,47.09)
DDR2_DATA_4: length 18.6
  TOP w0.203: U7.G2 v2(44.61,47.09)
  SIG1 w0.082: v3(34.18,44.38) 34.27,44.38 34.52,44.13 37.12,44.13
  SIG1 w0.114: v2(44.61,47.09) 44.61,47.32 44.82,47.52 47.18,47.52 47.31,47.39 47.31,46.81 47.19,46.69 42.45,46.69 39.89,44.13 37.12,44.13
DDR2_DATA_5: length 18.8
  TOP w0.203: U7.H1 v2(43.81,45.49)
  SIG1 w0.082: 37.12,42.63 36.08,42.63 35.93,42.78 35.93,43.49 35.78,43.63 35.43,43.63 v3(35.18,43.88)
  SIG1 w0.114: 37.12,42.63 40.95,42.63 42.6,44.29 47.28,44.29 47.39,44.4 47.39,44.98 47.28,45.09 44.22,45.09 v2(43.81,45.49)
DDR2_DATA_6: length 19.1
  TOP w0.203: U7.F1 v2(43.81,47.89)
  SIG1 w0.082: 37.12,45.13 36.08,45.13 35.93,44.99 35.93,44.74 35.82,44.63 34.46,44.63 34.21,44.88 v3(34.18,44.88)
  SIG1 w0.114: 37.12,45.13 39.39,45.13 42.08,47.82 42.55,47.82 43.78,49.05 46.72,49.05 46.83,48.94 46.83,48.78 46.71,48.65 44.18,48.65 43.81,48.29 v2(43.81,47.89)
DDR2_DATA_7: length 19.2
  TOP w0.203: U7.F9 v2(51.01,47.89)
  SIG1 w0.082: 37.12,44.63 36.58,44.63 36.33,44.38 v3(36.18,44.38)
  SIG1 w0.114: 37.12,44.63 39.68,44.63 42.19,47.14 43.14,47.14 43.5,47.5 43.98,47.5 44.22,47.73 44.22,48.06 44.45,48.29 44.88,48.29 45.28,47.89 47.8,47.89 48.02,47.67 48.02,46.77 48.1,46.69 48.47,46.69 48.58,46.8 48.58,47.38 48.7,47.5 50.61,47.5 v2(51.01,47.89)
DDR2_DATA_8: length 18.9
  TOP w0.203: U7.C8 v2(50.21,50.29)
  SIG1 w0.082: v3(36.18,46.88) 36.19,46.88 36.44,47.13 37.03,47.13
  SIG1 w0.114: 37.03,47.13 38.75,47.13 40.8,49.18 40.8,49.44 43.05,51.69 43.05,51.9 43.05,52.21 43.5,52.66 46.72,52.66 46.72,52.65 46.77,52.65 48.96,50.47 48.96,50.19 49.25,49.9 49.82,49.9 v2(50.21,50.29)
DDR2_DATA_9: length 18.4
  TOP w0.127: U7.B9 v2(51.01,51.09)
  SIG1 w0.082: v3(36.68,47.88) 37.12,47.88
  SIG1 w0.114: 37.12,47.88 38.2,47.88 42.31,51.99 42.31,52.51 43.19,53.39 47.02,53.39 47.03,53.39 47.13,53.39 49.02,51.5 50.6,51.5 v2(51.01,51.09)
DDR2_DATA_10: length 18.9
  TOP w0.203: U7.D7 v2(49.41,49.49)
  SIG1 w0.082: 37.12,46.63 36.33,46.63 36.18,46.48 v3(36.18,46.38)
  SIG1 w0.114: 37.12,46.63 38.77,46.63 43.42,51.27 43.42,52.06 43.65,52.29 46.57,52.29 48.47,50.38 48.47,49.23 48.59,49.11 49.03,49.11 49.15,49.23 49.15,49.23 v2(49.41,49.49)
DDR2_DATA_11: length 19
  TOP w0.203: U7.B1 v2(43.81,51.09)
  BOTTOM w0.082: v3(35.18,44.88) 35.43,45.13 35.43,45.49 35.58,45.63 37.12,45.63 37.39,45.9
  BOTTOM w0.127: 37.39,45.9 37.59,46.1 37.59,46.69 37.77,46.87 37.98,46.87 38.2,46.65 38.41,46.65 38.56,46.8 38.56,47.01 38.34,47.23 38.34,47.44 38.49,47.59 38.77,47.59 39.37,47 39.58,47 39.71,47.12 39.71,47.3 39.06,47.95 39.06,48.16 39.21,48.31 39.42,48.31 40.07,47.66 40.28,47.66 40.43,47.81 40.43,48.02 39.78,48.67 39.78,48.88 39.93,49.03 40.14,49.03 40.36,48.81 40.57,48.81 40.72,48.96 40.72,49.17 40.5,49.39 40.5,49.6 41.23,50.34 41.44,50.34 41.64,50.13 41.87,50.13 42.02,50.28 42.02,50.48 41.8,50.7 41.8,50.91 41.99,51.09 v2(43.81,51.09)
DDR2_DATA_12: length 19.3
  TOP w0.203: U7.D9 v2(51.01,49.49)
  SIG1 w0.082: v3(36.68,47.38) 36.8,47.5 38.34,47.5
  SIG1 w0.114: 38.34,47.5 40.43,49.59 42.68,51.84 42.68,52.36 43.35,53.03 46.87,53.03 46.87,53.02 46.92,53.02 47.14,52.81 49.25,50.7 50.36,50.7 50.42,50.63 50.44,50.63 50.61,50.46 50.61,49.89 v2(51.01,49.49)
DDR2_DATA_13: length 18.7
  TOP w0.203: U7.D1 v2(43.81,49.49)
  BOTTOM w0.082: v3(35.68,44.88) 35.93,45.13 37.07,45.13 37.12,45.18
  BOTTOM w0.127: 37.12,45.18 37.46,45.18 38.38,46.09 39.39,46.09 41.33,48.04 41.33,49.05 41.83,49.55 43.14,49.55 43.49,49.9 43.64,49.9 43.64,49.89 44.77,49.89 46.92,49.89 47.05,49.77 47.05,49.23 46.92,49.1 45.58,49.1 45.57,49.09 44.44,49.09 44.44,49.1 44.2,49.1 v2(43.81,49.49)
DDR2_DATA_14: length 19.4
  TOP w0.203: U7.D3 v2(45.41,49.49)
  SIG1 w0.082: v3(36.18,45.88) 36.43,45.63 37.1,45.63 37.12,45.61
  SIG1 w0.114: v2(45.41,49.49) 45.42,49.5 47.26,49.5 47.38,49.39 47.38,48.84 47.49,48.73 47.79,48.73 47.98,48.92 47.98,50.2 47.87,50.31 46.48,50.31 46.06,49.89 43.07,49.89 41.86,48.67 41.86,48.16 39.31,45.61 37.12,45.61
